# Altium PCB FMC_ADC_100M_10B_16CHA_TDC.PcbDoc (part 7 of 12)
Units mil, origin at the board's own origin, x right, y up, seen from the top; angles counter-clockwise.
Board outline 3037.39 x 2716.54 mil, 6 copper layers (TOP, G1, L2, L3, P3, BOTTOM), stack 50.475 mil thick; 720 components, 633 nets, 2798 pads, 1593 vias.
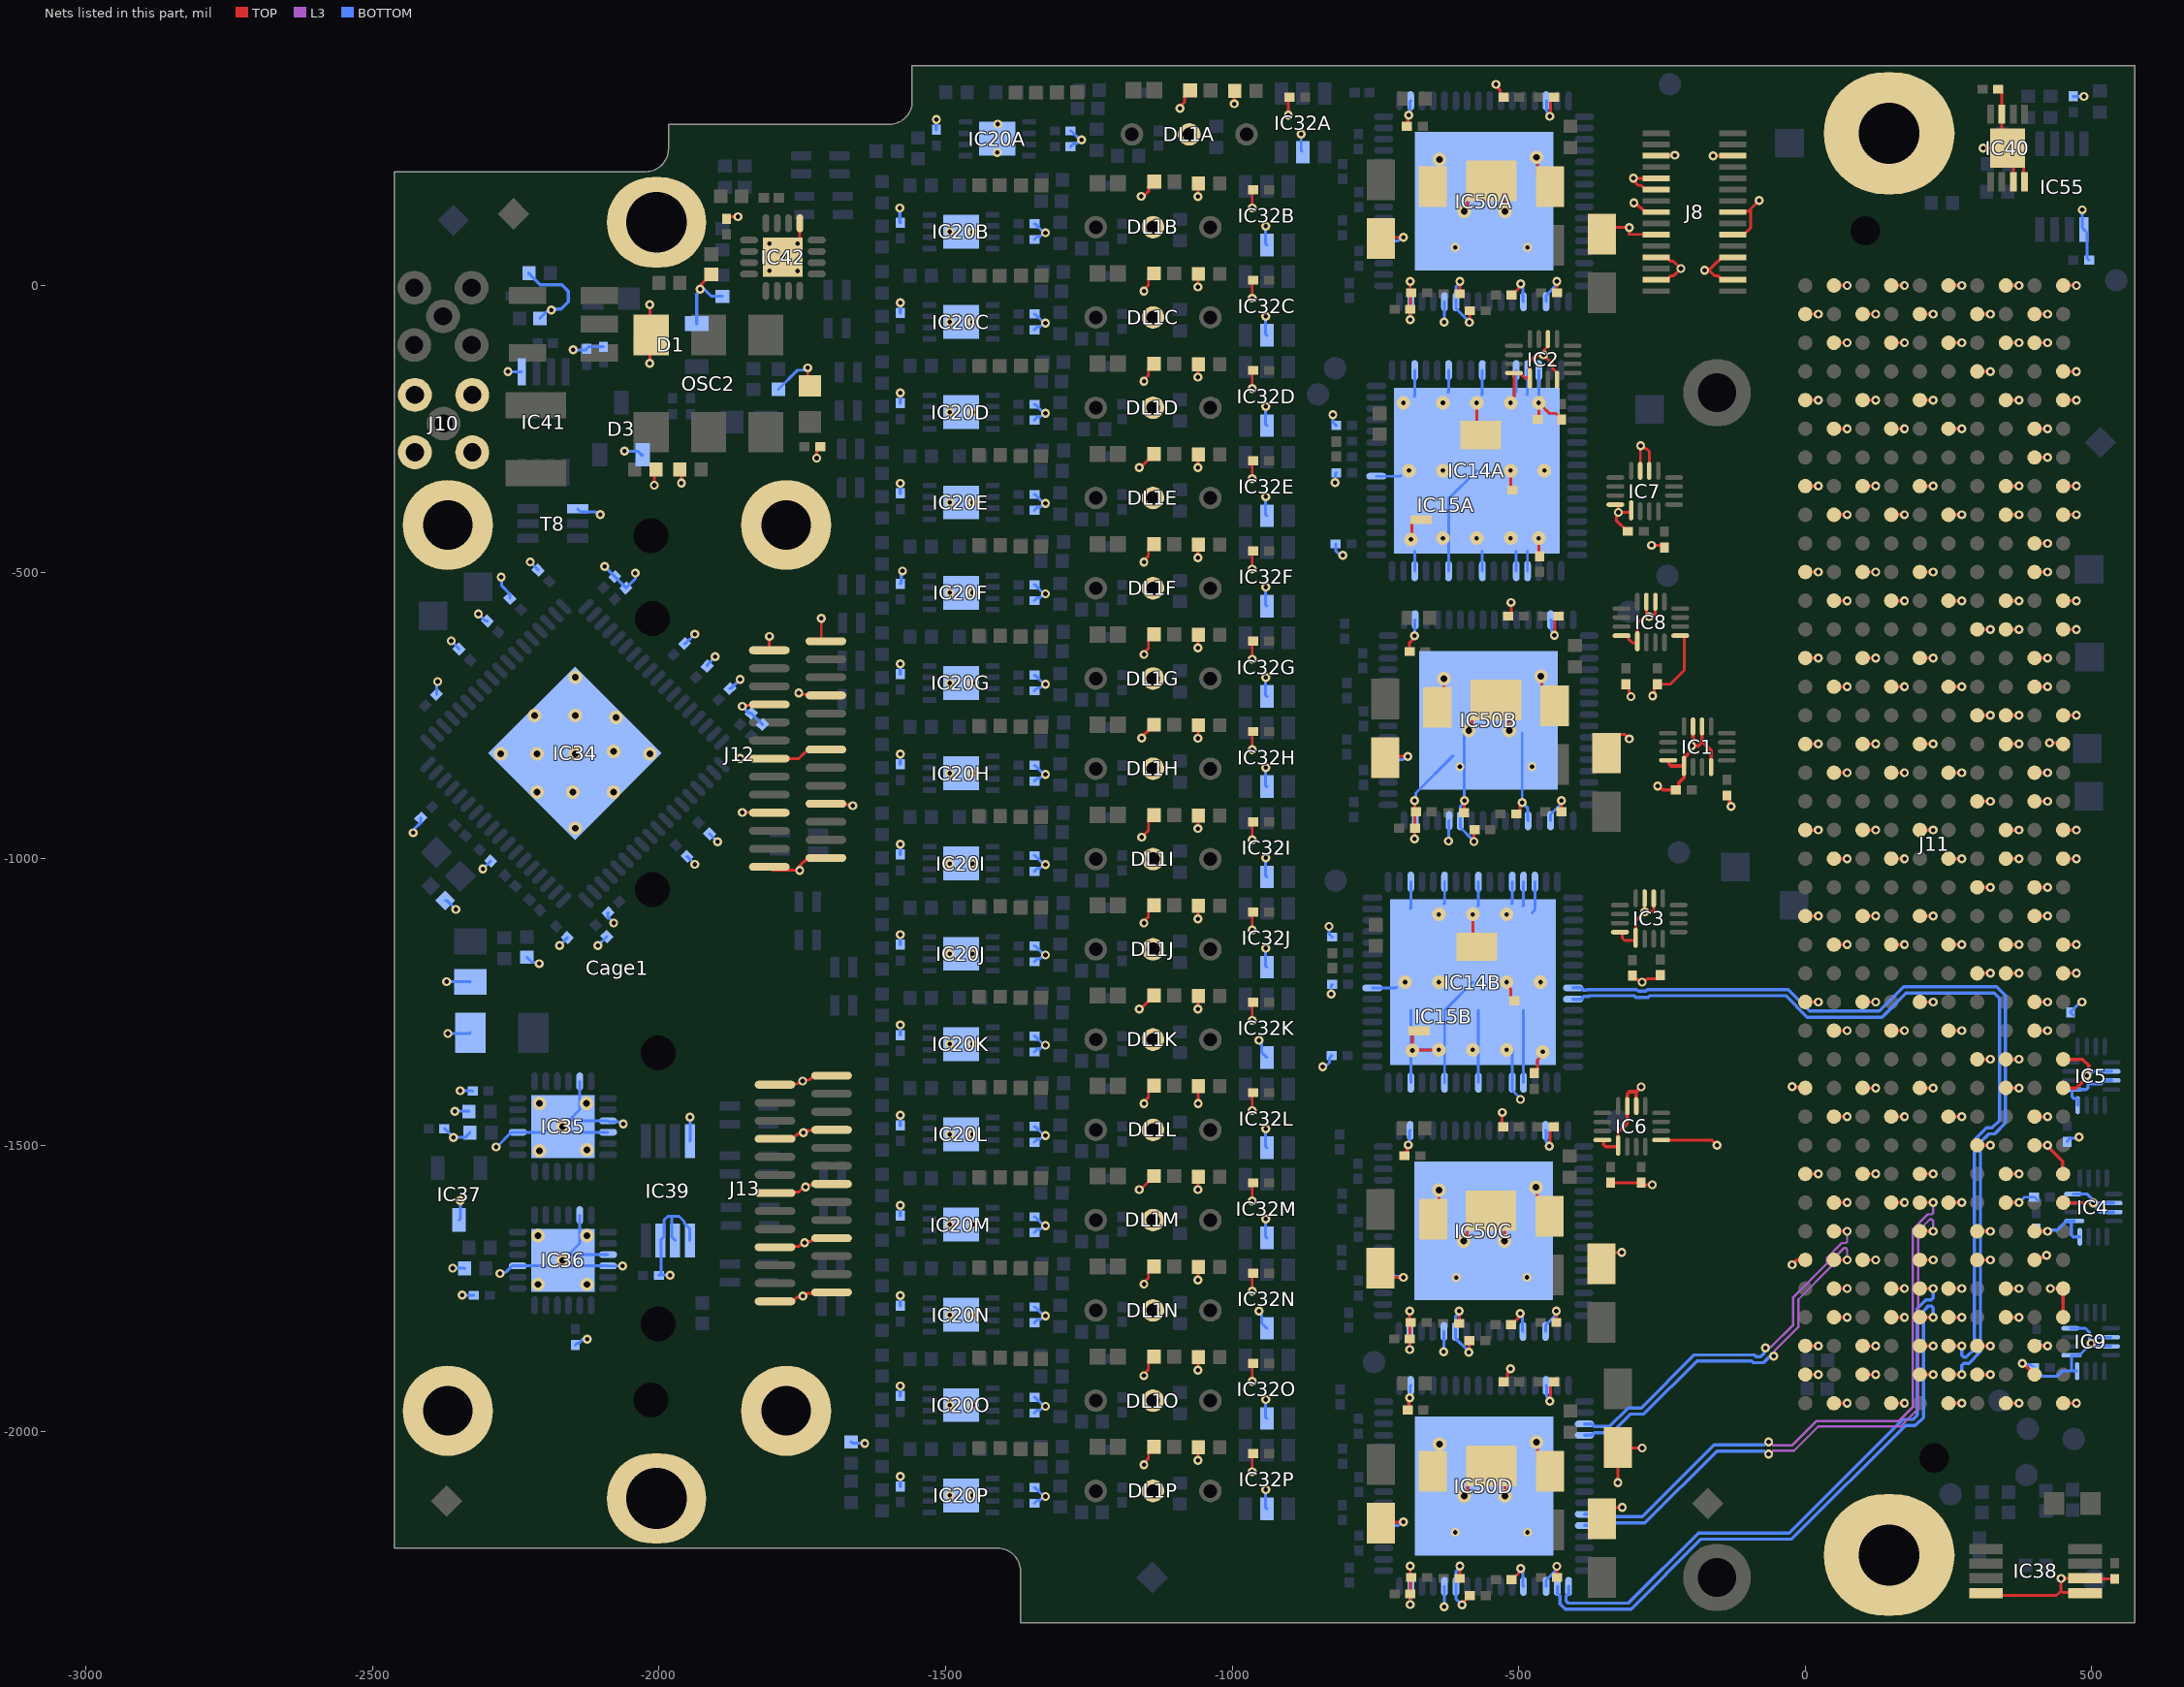
[diagram p11: the nets of this part, all layers, seen from the top]

## Via types
v1: diameter 15.75, hole 7.87, TOP to BOTTOM, tented both sides, 1528 vias
v2: diameter 23.62, hole 11.81, TOP to BOTTOM, tented both sides, 39 vias
v3: diameter 23.62, hole 7.87, TOP to BOTTOM, tented both sides, 26 vias

## Nets (pads, with @x,y where several pads share a name; then routed paths per layer and width w, separated by ;. In a path a pad name is that pad's centre, name@x,y a point inside that pad or via, vN(x,y) a via of type N, cw(c..) or ccw(c..) an arc to the next point about the centre after c; other vN are vias at no path point) (continued)
GND: B3.1 B4.1 B7.1 B8.1 C92A.2 C92B.2 C93A.1 C93B.1 C94A.1 C94B.1 C95A.1 C95B.1 C96A.1 C96B.1 C101A.2 C101B.2 C101C.2 C101D.2 C101E.2 C101F.2 C101G.2 C101H.2 C101I.2 C101J.2 C101K.2 C101L.2 C101M.2 C101N.2 C101O.2 C101P.2 C102A.2 C102B.2 C102C.2 C102D.2 C102E.2 C102F.2 C102G.2 C102H.2 C102I.2 C102J.2 C102K.2 C102L.2 C102M.2 C102N.2 C102O.2 C102P.2 C103A.2 C103B.2 C103C.2 C103D.2 C103E.2 C103F.2 C103G.2 C103H.2 C103I.2 C103J.2 C103K.2 C103L.2 C103M.2 C103N.2 C103O.2 C103P.2 C104A.1 C104B.1 C104C.1 C104D.1 C104E.1 C104F.1 C104G.1 C104H.1 C104I.1 C104J.1 C104K.1 C104L.1 C104M.1 C104N.1 C104O.1 C104P.1 C105A.2 C105B.2 C105C.2 C105D.2 C105E.2 C105F.2 C105G.2 C105H.2 C105I.2 C105J.2 C105K.2 C105L.2 C105M.2 C105N.2 C105O.2 C105P.2 C106.1 C107.1 C111.1 C114A.1 C114B.1 C115.2 C116.1 C117.1 C119.1 C120.1 C121.1 C122.1 C123.1 C124.1 C125.1 C126.1 C127.1 C128.1 C134.1 C135.1 C136.1 C137.1 C138.1 C139.1 C140.1 C141.1 C142.1 C143.1 C144.2 C145.2 C146.2 C147.2 C148.2 C149.2 C150.2 C181.2 C182.2 C183.1 C184.1 C273A.2 C273B.2 C273C.2 C273D.2 C274A.2 C274B.2 C274C.2 C274D.2 C275.2 C276A.2 C276B.2 C276C.2 C276D.2 C277A.2 C277B.2 C277C.2 C277D.2 C278A.2 C278B.2 C278C.2 C278D.2 C279A.2 C279B.2 C279C.2 C279D.2 C280A.2 C280B.2 C280C.2 C280D.2 C281A.2 C281B.2 C281C.2 C281D.2 C282A.2 C282B.2 C282C.2 C282D.2 C283A.2 C283B.2 C283C.2 C283D.2 C284A.2 C284B.2 C284C.2 C284D.2 C285A.2 C285B.2 C285C.2 C285D.2 C286A.2 C286B.2 C286C.2 C286D.2 C287A.2 C287B.2 C287C.2 C287D.2 C288.2 C289.2 C290.2 C291.2 C292.2 C293.2 C294.1 C295.2 C296.2 C297.2 C298.2 C299.2 C300.2 C301.2 C302.2 C303.2 C304.2 C305.2 C306.2 Cage1.1 Cage1.2 Cage1.3 Cage1.4 D1.1 D3.1 DL1A.2 DL1B.2 DL1C.2 DL1D.2 DL1E.2 DL1F.2 DL1G.2 DL1H.2 DL1I.2 DL1J.2 DL1K.2 DL1L.2 DL1M.2 DL1N.2 DL1O.2 DL1P.2 IC1.1 IC1.4 IC1.10 IC1.11 IC1.16 IC2.1 IC2.4 IC2.10 IC2.16 IC3.1 IC3.10 IC3.11 IC3.16 IC4.1 IC4.4 IC4.10 IC4.11 IC4.16 IC5.1 IC5.10 IC5.11 IC5.16 IC6.1 IC6.5 IC6.10 IC6.11 IC6.16 IC7.1 IC7.10 IC7.11 IC7.16 IC8.1 IC8.5 IC8.10 IC8.11 IC8.16 IC9.1 IC9.4 IC9.10 IC9.11 IC9.16 IC14A.3 IC14A.6 IC14A.9 IC14A.12 IC14A.13 IC14A.14 IC14A.36 IC14A.37 IC14A.40 IC14A.43 IC14A.46 IC14A.56 IC14A.65 IC14B.3 IC14B.6 IC14B.9 IC14B.12 IC14B.13 IC14B.14 IC14B.36 IC14B.37 IC14B.40 IC14B.43 IC14B.46 IC14B.56 IC14B.65 IC15A.3 IC15B.3 IC20A.9 IC20B.9 IC20C.9 IC20D.9 IC20E.9 IC20F.9 IC20G.9 IC20H.9 IC20I.9 IC20J.9 IC20K.9 IC20L.9 IC20M.9 IC20N.9 IC20O.9 IC20P.9 IC32A.2 IC32B.2 IC32C.2 IC32D.2 IC32E.2 IC32F.2 IC32G.2 IC32H.2 IC32I.2 IC32J.2 IC32K.2 IC32L.2 IC32M.2 IC32N.2 IC32O.2 IC32P.2 IC34.73 IC35.9 IC35.17 IC35.21 IC35.22 IC35.25 IC36.9 IC36.17 IC36.21 IC36.22 IC36.25 IC37.3 IC38.4 IC38.5 IC38.6 IC39.4 IC39.5 IC39.6 IC39.7 IC40.3 IC40.4 IC40.7 IC40.9 IC41.5 IC42.1 IC42.17 IC50A.19 IC50A.21 IC50A.27 IC50A.28 IC50A.31 IC50A.37 IC50A.50 IC50A.62 IC50A.65 IC50B.19 IC50B.21 IC50B.27 IC50B.28 IC50B.31 IC50B.37 IC50B.50 IC50B.62 IC50B.65 IC50C.19 IC50C.21 IC50C.27 IC50C.28 IC50C.31 IC50C.37 IC50C.50 IC50C.62 IC50C.65 IC50D.19 IC50D.21 IC50D.27 IC50D.28 IC50D.31 IC50D.37 IC50D.50 IC50D.62 IC50D.65 IC55.1 J8.5 J8.6 J8.10 J8.12 J8.15 J8.16 J8.19 J8.20 J8.23 J8.24 J8.27 J8.28 J10.2 J11.a1 J11.a4 J11.a5 J11.a8 J11.a9 J11.a12 J11.a13 J11.a16 J11.a17 J11.a20 J11.a21 J11.a24 J11.a25 J11.a28 J11.a29 J11.a32 J11.a33 J11.a36 J11.a37 J11.a40 J11.b2 J11.b3 J11.b6 J11.b7 J11.b10 J11.b11 J11.b14 J11.b15 J11.b18 J11.b19 J11.b22 J11.b23 J11.b26 J11.b27 J11.b30 J11.b31 J11.b34 J11.b35 J11.b38 J11.b39 J11.c1 J11.c4 J11.c5 J11.c8 J11.c9 J11.c12 J11.c13 J11.c16 J11.c17 J11.c20 J11.c21 J11.c24 J11.c25 J11.c28 J11.c29 J11.c32 J11.c33 J11.c36 J11.c38 J11.c40 J11.d2 J11.d3 J11.d6 J11.d7 J11.d10 J11.d13 J11.d16 J11.d19 J11.d22 J11.d25 J11.d28 J11.d37 J11.d39 J11.e1 J11.e4 J11.e5 J11.e8 J11.e11 J11.e14 J11.e17 J11.e20 J11.e23 J11.e26 J11.e29 J11.e32 J11.e35 J11.e38 J11.e40 J11.f2 J11.f3 J11.f6 J11.f9 J11.f12 J11.f15 J11.f18 J11.f21 J11.f24 J11.f27 J11.f30 J11.f33 J11.f36 J11.f39 J11.g1 J11.g4 J11.g5 J11.g8 J11.g11 J11.g14 J11.g17 J11.g20 J11.g23 J11.g26 J11.g29 J11.g32 J11.g35 J11.g38 J11.g40 J11.h2 J11.h3 J11.h6 J11.h9 J11.h12 J11.h15 J11.h18 J11.h21 J11.h24 J11.h27 J11.h30 J11.h33 J11.h36 J11.h39 J11.j1 J11.j4 J11.j5 J11.j8 J11.j11 J11.j14 J11.j17 J11.j20 J11.j23 J11.j26 J11.j29 J11.j32 J11.j35 J11.j38 J11.j40 J11.k2 J11.k3 J11.k6 J11.k9 J11.k12 J11.k15 J11.k18 J11.k21 J11.k24 J11.k27 J11.k30 J11.k33 J11.k36 J11.k39 J12.A1 J12.A4 J12.A7 J12.A10 J12.A13 J12.B1 J12.B4 J12.B7 J12.B10 J12.B13 J13.A1 J13.A4 J13.A7 J13.A10 J13.A13 J13.B1 J13.B4 J13.B7 J13.B10 J13.B13 OSC2.3 R1.1 R67A.1 R67B.1 R67C.1 R67D.1 R67E.1 R67F.1 R67G.1 R67H.1 R67I.1 R67J.1 R67K.1 R67L.1 R67M.1 R67N.1 R67O.1 R67P.1 R71.1 R74.1 R75.1 R78.1 R81.1 R84.1 R86.1 R118.1 R151.1 T8.4 | length 20738.1
  TOP w5: v1(-2016.14,-135.88) -2016.14,-89.03 OSC2.3@-2013.78,-86.67 -2016.14,-84.3 v1(-2016.14,-33.52) ; v1(-2008.27,-348.48) -2008.27,-323.68 R74.1@-2005.51,-320.92 ; R71.1@-1963.78,-320.92 -1961.03,-323.67 v1(-1961.03,-344.54) ; v1(-1928.55,-6.31) -1926.49,-4.26 -1926.49,1.65 C183.1@-1908.86,19.28 ; C184.1@-1882.39,116.46 -1878.81,120.03 v1(-1862.6,120.03) ; v1(-1858.66,-824.86) -1858.39,-825.13 -1807.88,-825.13 J12.A7@-1807.6,-825.41 -1756.07,-825.41 -1747.43,-816.76 -1746.81,-816.76 -1739.7,-809.66 J12.B7@-1708.78,-809.66 ; v1(-1854.73,-734.3) -1853.02,-732.6 -1829.4,-732.6 J12.A4@-1827.17,-730.37 ; v1(-1854.72,-919.35) -1854.45,-919.62 -1807.88,-919.62 J12.A10@-1807.6,-919.89 ; J12.A13@-1807.6,-1014.38 -1801.7,-1020.29 v1(-1754.43,-1020.29) -1754.43,-1011.98 -1747.71,-1005.27 -1746.33,-1005.27 -1739.7,-998.64 J12.B13@-1708.78,-998.64 ; J12.A1@-1807.6,-636.43 -1807.48,-636.31 v1(-1807.48,-612.26) ; J13.A13@-1797.76,-1772.26 -1766.84,-1772.26 -1759.69,-1765.1 -1750.93,-1765.1 v1(-1748.88,-1763.05) -1745.97,-1763.05 -1741.11,-1758.19 -1700.62,-1758.19 J13.B13@-1698.94,-1756.51 ; J13.A10@-1797.76,-1677.77 -1796.08,-1676.09 -1755.27,-1676.09 -1749.08,-1669.89 v1(-1746.17,-1669.89) -1744.11,-1667.84 -1735.68,-1667.84 -1729.86,-1662.02 J13.B10@-1698.94,-1662.02 ; J13.A7@-1797.76,-1583.28 -1796.08,-1581.6 -1756.11,-1581.6 -1747.39,-1572.89 v1(-1744.49,-1572.89) -1741.58,-1572.89 -1737.9,-1569.21 -1700.62,-1569.21 J13.B7@-1698.94,-1567.53 ; J13.A4@-1797.76,-1488.79 -1766.84,-1488.79 -1758.24,-1480.19 -1750.48,-1480.19 v1(-1748.43,-1478.14) -1745.52,-1478.14 -1741.87,-1474.49 -1700.39,-1474.49 J13.B4@-1698.94,-1473.04 ; J13.A1@-1797.76,-1394.3 -1796.08,-1392.62 -1757.19,-1392.62 -1753.33,-1388.77 -1748.59,-1388.77 -1745.61,-1385.79 -1737.09,-1385.79 -1729.86,-1378.56 J13.B1@-1698.94,-1378.56 ; IC42.17@-1783.96,49.53 v1(-1783.7,49.79) -1754.43,79.06 IC42.1@-1754.43,108.58 ; v1(-1756.3,-710.69) -1753.39,-710.69 -1750.58,-713.49 -1710.46,-713.49 J12.B4@-1708.78,-715.17 ; v1(-1740.55,-143.75) -1740.55,-171.31 C107.1@-1736.62,-175.25 ; v1(-1724.8,-301.24) -1724.8,-286.92 -1719.43,-281.55 C106.1@-1718.9,-281.55 ; v1(-1716.93,-580.76) -1716.93,-616.63 -1712.88,-620.68 J12.B1@-1708.78,-620.68 ; J12.B10@-1708.78,-904.15 -1707.1,-905.83 -1663.52,-905.83 v1(-1661.81,-907.53) ; v1(-1161.93,-1577.38) -1159.97,-1577.38 C104M.1@-1136.34,-1553.75 ; v1(-1161.93,-1262.42) -1159.97,-1262.42 C104K.1@-1136.34,-1238.79 ; v1(-1161.93,-317.54) -1159.97,-317.54 C104E.1@-1136.34,-293.91 ; v1(-1157.87,-962.65) -1146.05,-950.83 -1146.05,-933.54 C104I.1@-1136.34,-923.83 ; v1(-1157.87,-789.43) -1157.87,-787.88 C104H.1@-1136.34,-766.35 ; v1(-1154,-1902) -1154,-1899.09 -1146.05,-1891.14 -1146.05,-1878.42 C104O.1@-1136.34,-1868.71 ; v1(-1153.94,-2057.14) -1153.94,-2054.23 -1146.05,-2046.34 -1146.05,-2035.9 C104P.1@-1136.34,-2026.19 ; v1(-1153.94,-1742.18) -1153.94,-1739.27 -1146.05,-1731.38 -1146.05,-1720.94 C104N.1@-1136.34,-1711.23 ; v1(-1153.94,-1427.22) -1153.94,-1424.31 -1146.05,-1416.42 -1146.05,-1405.98 C104L.1@-1136.34,-1396.27 ; v1(-1153.94,-1112.26) -1153.94,-1109.35 -1146.05,-1101.46 -1146.05,-1091.02 C104J.1@-1136.34,-1081.31 ; v1(-1153.94,-643.76) -1153.94,-640.85 -1146.05,-632.96 -1146.05,-618.58 C104G.1@-1136.34,-608.87 ; v1(-1153.94,-482.34) -1153.94,-479.43 -1146.05,-471.54 -1146.05,-461.1 C104F.1@-1136.34,-451.39 ; v1(-1153.94,-167.38) -1153.94,-164.47 -1146.05,-156.58 -1146.05,-146.13 C104D.1@-1136.34,-136.43 ; v1(-1153.94,-9.9) -1153.94,-6.99 -1146.05,0.9 -1146.05,11.35 C104C.1@-1136.34,21.05 ; v1@-1153.82,153.97 -1153.82,156.29 -1145.93,164.18 -1145.93,171.24 C104B.1@-1136.22,180.94 ; v1(-1090.94,309) -1090.94,311.91 -1082.93,319.91 -1082.93,330.79 C104A.1@-1073.23,340.5 ; v1(-1059.57,-2049.82) -1059.57,-2028.07 R67P.1@-1058.55,-2027.05 ; v1(-1059.57,-1892.34) -1059.57,-1870.59 R67O.1@-1058.55,-1869.57 ; v1(-1059.57,-1734.86) -1059.57,-1713.11 R67N.1@-1058.55,-1712.09 ; v1(-1059.57,-1577.38) -1059.57,-1555.63 R67M.1@-1058.55,-1554.61 ; v1(-1059.57,-1262.41) -1059.57,-1240.67 R67K.1@-1058.55,-1239.65 ; v1(-1059.57,-1104.93) -1059.57,-1083.19 R67J.1@-1058.55,-1082.17 ; v1(-1059.57,-947.45) -1059.57,-925.71 R67I.1@-1058.55,-924.69 ; v1(-1059.57,-789.97) -1059.57,-768.23 R67H.1@-1058.55,-767.21 ; v1(-1059.57,-632.49) -1059.57,-610.75 R67G.1@-1058.55,-609.73 ; v1(-1059.57,-475.01) -1059.57,-453.27 R67F.1@-1058.55,-452.25 ; v1(-1059.57,-317.53) -1059.57,-295.79 R67E.1@-1058.55,-294.77 ; v1(-1059.57,-160.05) -1059.57,-138.31 R67D.1@-1058.55,-137.29 ; v1(-1059.57,-2.57) -1059.57,19.17 R67C.1@-1058.55,20.19 ; v1(-1059.57,154.91) -1059.57,176.65 R67B.1@-1058.55,177.67 ; v1(-1059.45,-1427.22) -1059.45,-1398.03 R67L.1@-1058.55,-1397.13 ; v1(-996.46,316.88) -996.46,338.62 R67A.1@-995.44,339.64 ; v1(-965.08,-2069.51) -965.08,-2039.97 C105P.2@-963.11,-2038.01 ; v1(-965.08,-1912.03) -965.08,-1882.49 C105O.2@-963.11,-1880.52 ; v1(-965.08,-1754.55) -965.08,-1725.01 C105N.2@-963.11,-1723.04 ; v1(-965.08,-1597.07) -965.08,-1567.53 C105M.2@-963.11,-1565.56 ; v1(-965.08,-1439.59) -965.08,-1410.05 C105L.2@-963.11,-1408.08 ; v1(-965.08,-1282.1) -965.08,-1252.57 C105K.2@-963.11,-1250.6 ; v1(-965.08,-1124.62) -965.08,-1095.09 C105J.2@-963.11,-1093.12 ; v1(-965.08,-967.14) -965.08,-937.61 C105I.2@-963.11,-935.64 ; v1(-965.08,-809.66) -965.08,-780.13 C105H.2@-963.11,-778.16 ; v1(-965.08,-652.18) -965.08,-622.65 C105G.2@-963.11,-620.68 ; v1(-965.08,-494.7) -965.08,-465.17 C105F.2@-963.11,-463.2 ; v1(-965.08,-337.22) -965.08,-307.69 C105E.2@-963.11,-305.72 ; v1(-965.08,-179.74) -965.08,-150.21 C105D.2@-963.11,-148.24 ; v1(-965.08,-22.26) -965.08,7.27 C105C.2@-963.11,9.24 ; v1(-965.08,135.22) -965.08,164.75 C105B.2@-963.11,166.72 ; v1(-901.97,297.19) -901.97,326.72 C105A.2@-900,328.69 ; C273C.2@-741.47,-1714.62 -725.72,-1730.37 v1(-701.18,-1730.37) ; C273D.2@-740.55,-2159.5 -738.37,-2157.31 v1@-702.93,-2157.31 ; C273A.2@-740.55,81.84 -738.36,84.02 v1@-702.93,84.02 ; C273B.2@-732.68,-823.68 -730.49,-821.49 v1@-695.06,-821.49 ; C281B.2@-690.35,-638.55 -690.35,-622.85 -681.49,-613.99 v1(-681.49,-611.08) ; v1(-690.29,-1856.35) C274C.2@-690.29,-1836.67 ; v1(-690.28,-1789.42) -690.28,-1808.85 -690.03,-1809.11 C274C.2@-690.03,-1837.92 ; v1(-689.37,-2301.23) C274D.2@-689.37,-2281.55 ; v1(-689.37,-2234.3) -689.37,-2253.73 -689.11,-2253.99 C274D.2@-689.11,-2282.8 ; v1(-689.37,-59.9) C274A.2@-689.37,-40.21 ; v1(-689.37,7.03) -689.37,-12.39 -689.11,-12.65 C274A.2@-689.11,-41.46 ; v3(-688,-442.97) -686.51,-441.47 -686.51,-413.96 -681.13,-408.59 IC15A.3@-670.31,-408.59 ; v1(-681.49,-965.41) C274B.2@-681.49,-945.72 ; v1(-681.49,-898.48) -681.49,-917.91 -681.23,-918.16 C274B.2@-681.23,-946.97 ; IC15B.3@-673.98,-1300.59 -680.06,-1300.59 -685.43,-1305.96 v3(-685.43,-1334.7) -684.86,-1334.13 -646.64,-1334.13 v3@-646.06,-1334.7 ; C280C.2@-650.91,-1625.62 -639.1,-1613.8 v2(-639.1,-1578.37) ; C280D.2@-650,-2068.95 -638.19,-2057.14 v2(-638.19,-2021.71) ; C280A.2@-650,172.39 -638.19,184.2 v2(-638.19,219.63) ; C280B.2@-642.12,-733.12 -630.31,-721.31 v2(-630.31,-685.88) ; v3@-641.46,-437.43 -635.85,-437.43 v3(-632.29,-441) ; C287C.2@-604.03,-1810.92 -603.67,-1810.56 v1(-603.67,-1789.42) ; C287D.2@-603.11,-2255.8 -602.76,-2255.45 v1(-602.76,-2234.3) ; C287A.2@-603.11,-14.46 -602.75,-14.11 v1(-602.75,7.03) ; v1(-599,-2302) -599,-2299.44 C279D.2@-585.04,-2285.49 ; v2(-595.8,-1667.38) -595.8,-1662.34 -590.34,-1656.88 -590.34,-1634.36 C286C.2@-576.11,-1620.13 ; C287B.2@-595.23,-919.97 -594.88,-919.62 v1(-594.88,-898.48) ; v2(-594.88,-2112.26) -594.88,-2107.22 -589.43,-2101.77 -589.43,-2079.25 C286D.2@-575.2,-2065.01 ; v2(-594.88,129.08) -594.88,134.12 -589.43,139.57 -589.43,162.09 C286A.2@-575.2,176.32 ; v2(-587.01,-776.43) -587.01,-771.39 -581.55,-765.94 -581.55,-743.42 C286B.2@-567.32,-729.19 ; v1(-586.88,-1860.97) -586.88,-1841.53 C279C.2@-585.95,-1840.6 ; v1(-585.96,-64.52) -585.96,-45.07 C279A.2@-585.04,-44.15 ; v3@-579.14,-1102.42 -580.12,-1103.4 -580.12,-1146.71 C92B.2@-573.23,-1153.6 ; v1(-578.09,-970.03) -578.09,-950.59 C279B.2@-577.16,-949.66 ; v3@-572.25,-209.86 -573.23,-210.84 -573.23,-254.15 C92A.2@-566.34,-261.04 ; v1(-539.54,350.93) -539.54,348.02 -532.81,341.29 -532.81,333.91 -527.43,328.54 C285A.2@-526.45,328.54 ; C286C.2@-528.87,-1604.38 -524.93,-1608.32 v2(-524.93,-1667.38) ; v1(-528.83,-1442.77) -528.83,-1466.45 C285C.2@-527.36,-1467.92 ; C286D.2@-527.95,-2049.27 -524.02,-2053.2 v2(-524.02,-2112.26) ; C286A.2@-527.95,192.07 -524.01,188.14 v2(-524.01,129.08) ; C285D.2@-526.45,-1912.8 -525.47,-1912.8 -520.09,-1907.43 -520.09,-1898.32 -514.3,-1892.53 v1(-514.3,-1889.62) ; v3(-521.06,-1215.45) -521.06,-1220.49 -513.84,-1227.71 -513.84,-1242.45 -508.46,-1247.82 C114A.1@-507.48,-1247.82 ; C286B.2@-520.08,-713.44 -516.14,-717.38 v2(-516.14,-776.43) ; C285B.2@-518.57,-576.97 -513.26,-571.66 v1(-513.26,-553.07) ; v3(-514.17,-322.89) -514.17,-353.95 C114B.1@-511.22,-356.9 ; C284C.2@-513.12,-1813.05 -512.14,-1813.05 -499.43,-1800.34 -499.43,-1795.42 v1(-497.37,-1793.36) ; v3@-513,-197 -511.44,-197 -508.18,-193.74 IC2.16@-508.18,-152.62 -497.15,-152.62 -494.93,-154.84 -494.93,-156.07 -489.13,-161.87 -481.22,-161.87 IC2.1@-480.62,-162.46 -480.62,-131.62 -472,-123 v1@-462,-123 ; C284D.2@-512.21,-2257.93 -511.22,-2257.93 -498.51,-2245.22 -498.51,-2240.3 v1(-496.46,-2238.24) ; C284A.2@-512.2,-16.59 -511.22,-16.59 -498.51,-3.88 -498.51,1.04 v1(-496.45,3.1) ; C284B.2@-504.33,-922.1 -503.34,-922.1 -497.97,-916.73 -497.97,-908.88 -494,-904.91 v1(-494,-902) ; C93B.1@-473,-1374.22 -467.63,-1368.85 -467.63,-1351.67 -458,-1342.04 v3(-458,-1337) ; v2@-472.56,-1576.82 -468.3,-1581.09 -468.3,-1601.96 C278C.2@-446.19,-1624.07 ; v2@-471.65,-2021.71 -467.38,-2025.97 -467.38,-2046.84 C278D.2@-445.28,-2068.95 ; v2@-471.64,219.63 -467.38,215.37 -467.38,194.49 C278A.2@-445.27,172.39 ; C115.2@-465,-230 -464.96,-229.96 v3(-464.96,-204.78) ; v3(-464.96,-441) -464.96,-471.03 C93A.1@-463.77,-472.22 ; v2@-463.77,-685.88 -459.51,-690.14 -459.51,-711.02 C278B.2@-437.4,-733.12 ; v3@-458,-209 -458.88,-209.88 -458.88,-210.86 -446.8,-222.94 -435.26,-222.94 -425.04,-233.15 C300.2@-425.04,-234.14 ; v1(-456.68,-121.11) -444.79,-133 -441,-133 -441,-144.22 -433.38,-151.84 IC2.4@-433.38,-164.43 ; v1@-454.62,-118.62 -454.62,-111.65 -449.13,-106.16 IC2.10@-449.13,-93.57 ; v1(-446.51,-1501.47) -445.38,-1500.35 -445.38,-1473.29 -440.01,-1467.92 C277C.2@-439.03,-1467.92 ; v1(-445.6,-1946.35) -444.47,-1945.23 -444.47,-1918.17 -439.1,-1912.8 C277D.2@-438.11,-1912.8 ; v1(-445.59,294.99) -444.47,296.11 -444.47,323.16 -439.09,328.54 C277A.2@-438.11,328.54 ; v1(-437.72,-610.53) -436.59,-609.4 -436.59,-582.35 -431.22,-576.97 C277B.2@-430.23,-576.97 ; C276C.2@-434.38,-1805.17 v1(-434.38,-1789.42) ; C276D.2@-433.47,-2250.05 v1(-433.47,-2234.62) ; C276A.2@-433.46,-8.71 v1(-433.46,7.03) ; C276B.2@-425.59,-914.23 v1(-425.59,-898.48) ; C283C.2@-355.64,-1706.75 -335.95,-1687.06 v1(-320.2,-1687.06) ; C283D.2@-354.73,-2151.63 -335.04,-2131.94 v1(-319.29,-2131.94) ; C283A.2@-354.72,89.71 -343.43,101 v1(-307,101) -307,89.6 -307.48,89.12 -260.83,89.12 J8.20@-260.24,88.53 ; C283B.2@-346.85,-804.97 -324.74,-782.87 -315,-782.87 -315,-783 v1(-307,-791) ; C303.2@-339.52,-1565.3 C304.2@-286.39,-1565.3 -282.7,-1569 v1(-266.93,-1569) ; IC7.16@-331.36,-382.37 -327.44,-382.37 -326.11,-383.69 v1(-326.11,-395.85) -305.12,-395.85 -303.8,-394.53 IC7.1@-303.8,-392.21 -303.8,-391.65 IC7.1@-305.12,-390.33 ; v1@-329.72,-400.79 -329.72,-409.86 -310.58,-429 C298.2@-309.59,-429 ; v1(-326.9,-2088.64) C275.2@-326.9,-2027.36 -326.18,-2028.07 v1(-284.78,-2028.07) ; IC3.16@-323.48,-1128.19 -320.62,-1128.19 -319.29,-1129.51 -319.29,-1138.53 -315.15,-1142.67 -297.25,-1142.67 -295.92,-1141.34 IC3.1@-295.92,-1138.03 -295.92,-1108.61 v1(-280.18,-1092.86) ; IC8.16@-320.58,-610.82 -309.54,-610.82 -308.22,-612.15 -308.22,-616.9 -301.53,-623.59 -294.35,-623.59 -293.02,-622.26 -293.02,-589.64 -281.27,-577.89 -277.27,-577.89 IC8.11@-277.27,-551.76 ; C301.2@-313,-695.72 -307.63,-701.1 -307.63,-710.84 -304,-714.47 v1(-304,-717.38) ; C292.2@-301.61,-1204.34 -301.61,-1205.33 -296.24,-1210.7 -292.43,-1210.7 -287.68,-1215.45 v1(-284.78,-1215.45) -281.87,-1215.45 -276.2,-1209.78 -258.12,-1209.78 -252.75,-1204.41 C293.2@-252.75,-1203.42 ; v1(-299,144) -296.09,144 -286.96,134.87 -285.91,134.87 -278.94,127.9 J8.16@-260.24,127.9 ; IC7.11@-288.05,-323.31 -287.63,-322.89 -287.63,-279.96 v1(-287.2,-279.54) -284.3,-279.54 -278.51,-285.32 -276.2,-285.32 -272.3,-289.23 IC7.10@-272.3,-323.31 ; IC3.11@-280.18,-1069.13 v1(-280.18,-1092.86) ; v1(-272.21,-577.89) -267.15,-577.89 -261.52,-572.26 IC8.10@-261.52,-551.76 ; v1(-268.13,-453.27) -249.53,-453.27 C299.2@-245.77,-457.02 -245.77,-456.04 C299.2@-251.15,-450.66 ; v1(-266.21,-716) -266.21,-713.09 -263.37,-710.25 -263.37,-701.1 C302.2@-258,-695.72 -235.61,-695.72 -211.01,-671.12 -211.01,-612.15 -212.33,-610.82 IC8.5@-218.21,-610.82 ; IC3.10@-264.43,-1069.13 -264.43,-1090.79 -265.79,-1092.15 -279.46,-1092.15 v1(-280.18,-1092.86) ; IC6.5@-262.76,-1491.3 -262.22,-1490.76 IC6.5@-251.6,-1490.76 -163.14,-1490.76 v1(-153.94,-1499.96) ; J8.28@-260.24,9.79 -241.54,9.79 -234.27,17.05 -229.42,17.05 -218.83,27.63 -218.83,31.11 -229.62,41.89 -234.27,41.89 -241.54,49.16 J8.24@-260.24,49.16 ; J8.12@-260.24,167.27 -278.94,167.27 -286.2,174.53 -291.35,174.53 -297.94,181.13 -297.94,184.9 v1(-300,186.95) J8.10@-260.24,186.95 ; J8.6@-260.24,226.32 -259.79,226.77 -228.24,226.77 v1(-227.79,227.22) ; v1(-175.59,26.67) -175.19,26.28 -167.71,26.28 -158.49,17.05 -152.34,17.05 -145.08,9.79 J8.27@-126.38,9.79 ; -167.71,26.67 -167.71,27.29 -153.11,41.89 -152.34,41.89 -145.08,49.16 J8.23@-126.38,49.16 ; v1(-160.74,226.08) -160.62,226.2 -126.5,226.2 J8.5@-126.38,226.32 ; C291.2@-136.62,-889.82 C291.2@-136.62,-888.84 ; J8.19@-126.38,88.53 -107.68,88.53 -100.41,95.79 -99.65,95.79 -95.26,100.19 -95.26,133.38 ; J8.15@-126.38,127.9 -124.62,129.65 -98.98,129.65 -95.26,133.38 ; v1(-80.36,148.28) -95.26,133.38 ; v1(310.2,239.86) IC40.9@352.99,239.86 ; IC38.4@315.43,-2281.12 319.69,-2285.37 438.41,-2285.37 446.34,-2277.45 ; C148.2@336.78,342.32 337.76,342.32 343.14,336.94 IC40.7@343.15,298.92 ; IC40.7@343.15,298.92 343.15,249.71 IC40.9@352.99,239.86 ; IC40.3@362.84,180.81 IC40.9@362.84,226.08 ; IC40.4@382.52,180.81 381.01,182.32 381.01,207.92 IC40.9@362.84,226.08 ; IC38.5@488.66,-2281.12 487.92,-2280.38 449.26,-2280.38 446.34,-2277.45 ; C149.2@539.84,-2256.51 488.66,-2256.51 487.67,-2255.52 v1(446.34,-2255.52) 446.34,-2277.45 ; IC40.9@352.99,239.86 352.99,235.93 IC40.9@362.84,226.08
  TOP w5.71: v1(-22.84,-1708.46) -14.38,-1700 J11.k6@0,-1700 ; v1(-22.84,-1397.5) -21.59,-1398.75 -1.25,-1398.75 J11.k12@0,-1400 ; J11.k2@0,-1900 v1(23,-1900) ; J11.k3@0,-1850 v1(23,-1850) ; J11.k9@0,-1550 v1(23,-1550) ; J11.k15@0,-1250 v1(23,-1250) ; J11.k18@0,-1100 v1(23,-1100) ; J11.k21@0,-950 v1(23,-950) ; J11.k24@0,-800 v1(23,-800) ; J11.k27@0,-650 v1(23,-650) ; J11.k30@0,-500 v1(23,-500) ; J11.k33@0,-350 v1(23,-350) ; J11.k36@0,-200 v1(23,-200) ; J11.k39@0,-50 v1(23,-50) ; J11.j1@50,-1950 v1(73,-1950) ; J11.j4@50,-1800 v1(73,-1800) ; J11.j5@50,-1750 v1(73,-1750) ; J11.j8@50,-1600 v1(73,-1600) ; J11.j11@50,-1450 v1(73,-1450) ; J11.j14@50,-1300 v1(73,-1300) ; J11.j17@50,-1150 v1(73,-1150) ; J11.j20@50,-1000 v1(73,-1000) ; J11.j23@50,-850 v1(73,-850) ; J11.j26@50,-700 v1(73,-700) ; J11.j29@50,-550 v1(73,-550) ; J11.j32@50,-400 v1(73,-400) ; J11.j35@50,-250 v1(73,-250) ; J11.j38@50,-100 v1(73,-100) ; J11.j40@50,0 v1(73,0) ; J11.h2@100,-1900 v1(123,-1900) ; J11.h3@100,-1850 v1(123,-1850) ; J11.h6@100,-1700 v1(123,-1700) ; J11.h9@100,-1550 v1(123,-1550) ; J11.h12@100,-1400 v1(123,-1400) ; J11.h15@100,-1250 v1(123,-1250) ; J11.h18@100,-1100 v1(123,-1100) ; J11.h21@100,-950 v1(123,-950) ; J11.h24@100,-800 v1(123,-800) ; J11.h27@100,-650 v1(123,-650) ; J11.h30@100,-500 v1(123,-500) ; J11.h33@100,-350 v1(123,-350) ; J11.h36@100,-200 v1(123,-200) ; J11.h39@100,-50 v1(123,-50) ; J11.g1@150,-1950 v1(173,-1950) ; J11.g4@150,-1800 v1(173,-1800) ; J11.g5@150,-1750 v1(173,-1750) ; J11.g8@150,-1600 v1(173,-1600) ; J11.g11@150,-1450 v1(173,-1450) ; J11.g14@150,-1300 v1(173,-1300) ; J11.g17@150,-1150 v1(173,-1150) ; J11.g20@150,-1000 v1(173,-1000) ; J11.g23@150,-850 v1(173,-850) ; J11.g26@150,-700 v1(173,-700) ; J11.g29@150,-550 v1(173,-550) ; J11.g32@150,-400 v1(173,-400) ; J11.g35@150,-250 v1(173,-250) ; J11.g38@150,-100 v1(173,-100) ; J11.g40@150,0 v1(173,0) ; J11.f2@200,-1900 v1(223,-1900) ; J11.f3@200,-1850 v1(223,-1850) ; J11.f6@200,-1700 v1(223,-1700) ; J11.f9@200,-1550 v1(223,-1550) ; J11.f12@200,-1400 v1(223,-1400) ; J11.f15@200,-1250 v1(223,-1250) ; J11.f18@200,-1100 v1(223,-1100) ; J11.f21@200,-950 v1(223,-950) ; J11.f24@200,-800 v1(223,-800) ; J11.f27@200,-650 v1(223,-650) ; J11.f30@200,-500 v1(223,-500) ; J11.f33@200,-350 v1(223,-350) ; J11.f36@200,-200 v1(223,-200) ; J11.f39@200,-50 v1(223,-50) ; J11.e1@250,-1950 v1(273,-1950) ; J11.e4@250,-1800 v1(273,-1800) ; J11.e5@250,-1750 v1(273,-1750) ; J11.e8@250,-1600 v1(273,-1600) ; J11.e11@250,-1450 v1(273,-1450) ; J11.e14@250,-1300 v1(273,-1300) ; J11.e17@250,-1150 v1(273,-1150) ; J11.e20@250,-1000 v1(273,-1000) ; J11.e23@250,-850 v1(273,-850) ; J11.e26@250,-700 v1(273,-700) ; J11.e29@250,-550 v1(273,-550) ; J11.e32@250,-400 v1(273,-400) ; J11.e35@250,-250 v1(273,-250) ; J11.e38@250,-100 v1(273,-100) ; J11.e40@250,0 v1(273,0) ; J11.d2@300,-1900 v1(323,-1900) ; J11.d3@300,-1850 v1(323,-1850) ; J11.d6@300,-1700 v1(323,-1700) ; J11.d7@300,-1650 v1(323,-1650) ; J11.d10@300,-1500 v1(323,-1500) ; J11.d13@300,-1350 v1(323,-1350) ; J11.d16@300,-1200 v1(323,-1200) ; J11.d19@300,-1050 v1(323,-1050) ; J11.d22@300,-900 v1(323,-900) ; J11.d25@300,-750 v1(323,-750) ; J11.d28@300,-600 v1(323,-600) ; J11.d37@300,-150 v1(323,-150) ; J11.d39@300,-50 v1(323,-50) ; J11.c1@350,-1950 v1(373,-1950) ; J11.c4@350,-1800 v1(373,-1800) ; J11.c5@350,-1750 v1(373,-1750) ; J11.c8@350,-1600 v1(373,-1600) ; J11.c9@350,-1550 v1(373,-1550) ; J11.c12@350,-1400 v1(373,-1400) ; J11.c13@350,-1350 v1(373,-1350) ; J11.c16@350,-1200 v1(373,-1200) ; J11.c17@350,-1150 v1(373,-1150) ; J11.c20@350,-1000 v1(373,-1000) ; J11.c21@350,-950 v1(373,-950) ; J11.c24@350,-800 v1(373,-800) ; J11.c25@350,-750 v1(373,-750) ; J11.c28@350,-600 v1(373,-600) ; J11.c29@350,-550 v1(373,-550) ; J11.c32@350,-400 v1(373,-400) ; J11.c33@350,-350 v1(373,-350) ; J11.c36@350,-200 v1(373,-200) ; J11.c38@350,-100 v1(373,-100) ; J11.c40@350,0 v1(373,0) ; v1@376.86,-1880.36 380.36,-1880.36 J11.b2@400,-1900 ; J11.b3@400,-1850 v1(423,-1850) ; J11.b6@400,-1700 403.86,-1696.14 413.96,-1696.14 418.09,-1692 v1(421,-1692) ; J11.b7@400,-1650 v1(423,-1650) ; J11.b10@400,-1500 v1(423,-1500) 423,-1501.93 449.12,-1528.04 449.12,-1549.12 J11.a9@450,-1550 ; J11.b11@400,-1450 v1(423,-1450) ; J11.b14@400,-1300 v1(423,-1300) ; J11.b15@400,-1250 v1(423,-1250) ; J11.b18@400,-1100 v1(423,-1100) ; J11.b19@400,-1050 v1(423,-1050) ; J11.b22@400,-900 v1(423,-900) ; J11.b23@400,-850 v1(423,-850) ; J11.b26@400,-700 v1(423,-700) ; J11.b27@400,-650 v1(423,-650) ; J11.b30@400,-500 v1(423,-500) ; J11.b31@400,-450 v1(423,-450) ; J11.b34@400,-300 v1(423,-300) ; J11.b35@400,-250 v1(423,-250) ; J11.b38@400,-100 v1(423,-100) ; J11.b39@400,-50 v1(423,-50) ; v1(426,-798) 448,-798 J11.a24@450,-800 ; v1(427.56,-1750) J11.a5@450,-1750 J11.a4@450,-1800 ; J11.a1@450,-1950 v1(473,-1950) ; J11.a8@450,-1600 450.43,-1600.43 502.24,-1600.43 v1(502.67,-1600.86) ; J11.a12@450,-1400 473,-1400 481.66,-1391.34 481.66,-1390.25 491.2,-1380.72 v1(491.2,-1378) ; J11.a13@450,-1350 473,-1350 484,-1350 495.56,-1361.56 494.17,-1362.95 494.17,-1376.08 v1@492.25,-1378 ; J11.a16@450,-1200 v1(473,-1200) ; J11.a17@450,-1150 v1(473,-1150) ; J11.a20@450,-1000 v1(473,-1000) ; J11.a21@450,-950 v1(473,-950) ; J11.a25@450,-750 v1(473,-750) ; J11.a28@450,-600 v1(473,-600) ; J11.a29@450,-550 v1(473,-550) ; J11.a32@450,-400 v1(473,-400) ; J11.a33@450,-350 v1(473,-350) ; J11.a36@450,-200 v1(473,-200) ; J11.a37@450,-150 v1(473,-150) ; J11.a40@450,0 v1(473,0)